# Altium PCB motordriver-v5.1.PcbDoc (part 3 of 8)
Units mil, origin at the board's own origin, x right, y up, seen from the top; angles counter-clockwise.
Board outline 4531.01 x 6141.73 mil, 6 copper layers (Top Copper, GND Layer 1, Signal Layer 1, Signal Layer 2, PWR Layer, Bottom Copper), stack 58.2 mil thick; 748 components, 531 nets, 2475 pads, 1059 vias.
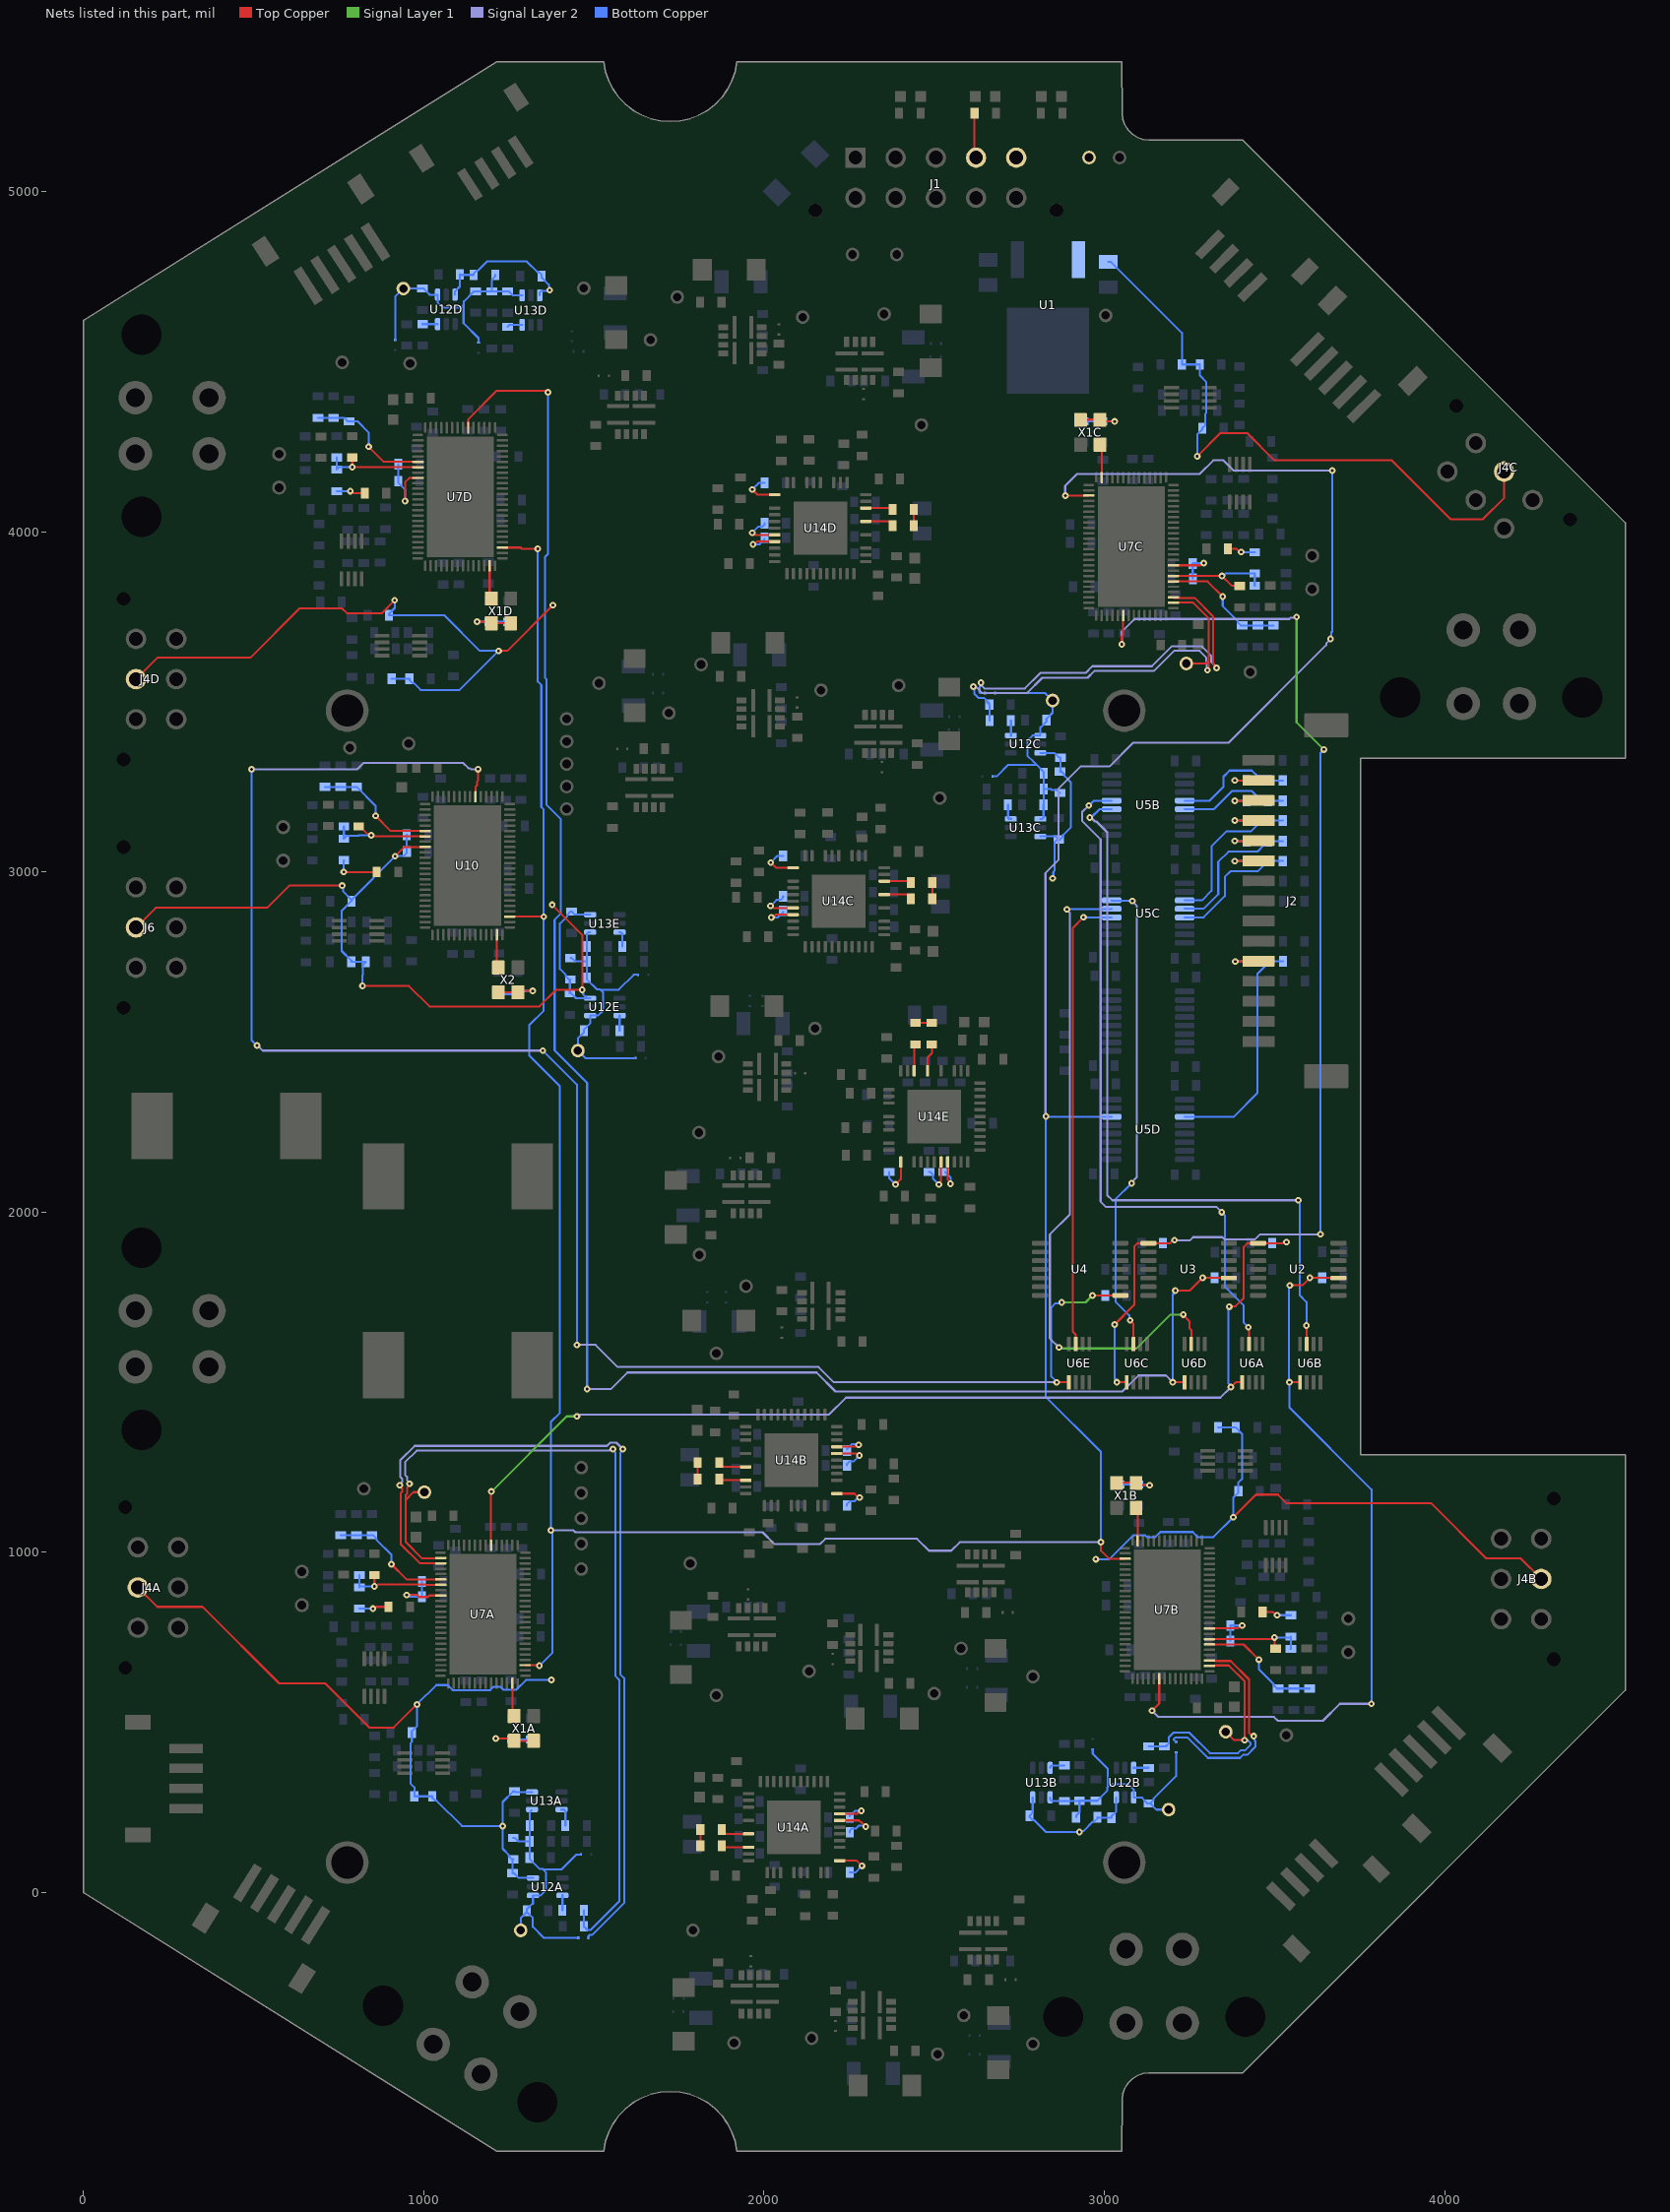
[diagram p7: the nets of this part, all layers, seen from the top]

## Part data
C1 C2: library part "CAP 10uF 35V_1", "Default Symbol for Capacitors", Manufacturer Part Number 1=C2012X5R1V106K125AC, Rating=35V, Supplier Part Number 1=445-14418-1-ND, Temperature Coefficient=X5R, Tolerance=10%, Part Number="CAP 10uF 35V_1", Supplier 1=Digi-Key
C3A C3B C3C C3D C4A C4B C4C C4D C5A C5B C5C C5D C6A C6B C6C C6D C7A C7B C7C C7D C8A C8B C8C C8D C9A C9B C9C C9D C9E C10A C10B C10C C10D C14A C14B C14C C14D C16A C16B C16C C16D C17A C17B C17C C17D C18A C18B C18C C18D C19A C19B C19C C19D C25A C25B C25C C25D C26A C26B C26C C26D C27A C27B C27C C27D C28A C28B C28C C28D C29A C29B C29C C29D C30A C30B C30C C30D C31 C32 C33 C34 C35 C40 C41 C42 C43 C46 C47 C48 C49 C50 C51 C54A C54B C54C C54D C54E C55A C55B C55C C55D C55E C57A C57B C57C C57D C57E C58A C58B C58C C58D C58E C60A C60B C60C C60D C60E C68A C68B C68C C68D C68E C72A C72B C72C C72D C72E C73A C73B C73C C73D C73E C74A C74B C74C C74D C74E: library part "CAP 100nF 50V", "Default Symbol for Capacitors", Manufacturer Part Number 1=CC0603KPX7R9BB104, Manufacturer Part Number 2=0805J0500104KJT, Rating=50V, Supplier Part Number 1=311-3567-1-ND, Temperature Coefficient=X7R, Tolerance=10%, Part Number="CAP 100nF 50V", Supplier 1=Digi-Key, Supplier 2=Digi-Key, Supplier Part Number 2=1608-1458-1-ND
C11A C11B C11C C11D C12A C12B C12C C12D C13A C13B C13C C13D C36 C37 C38: library part "CAP 1000pF 50V", "Default Symbol for Capacitors", Manufacturer Part Number 1="06035C102K4Z2A / 06035C102K4Z2A", Manufacturer Part Number 2=08055C102KAT2A, Rating=50V, Supplier Part Number 1=478-6342-1-ND, Temperature Coefficient=X7R, Tolerance=10%, Part Number="CAP 1000pF 50V", Supplier 1=Digi-Key, Supplier 2=Digi-Key, Supplier Part Number 2=478-1371-1-ND
C15A C15B C15C C15D C23A C23B C23C C23D C39 C44: library part "CAP 4.7uF 16V", "Default Symbol for Capacitors", Manufacturer Part Number 1=C1608X5R1C475K080AE, Manufacturer Part Number 2=C2012X5R1C475K085AB, Rating=16V, Supplier Part Number 1=445-175225-1-ND, Temperature Coefficient=X5R, Tolerance=10%, Part Number="CAP 4.7uF 16V", Supplier 1=Digi-Key, Supplier 2=Digi-Key, Supplier Part Number 2=445-14382-1-ND
C20A C20B C20C C20D C21A C21B C21C C21D C22A C22B C22C C22D: library part "CAP 100pF 50V", "Default Symbol for Capacitors", Manufacturer Part Number 1=C0603C101K5RAC7867, Manufacturer Part Number 2=C0805C101J5RAC7800, Rating=50V, Supplier Part Number 1=399-C0603C101K5RAC7867CT-ND, Temperature Coefficient=X7R, Tolerance=10%, Part Number="CAP 100pF 50V", Supplier 1=Digi-Key, Supplier 2=Digi-Key, Supplier Part Number 2=399-17420-1-ND
C24A C24B C24C C24D C45 C61A C61B C61C C61D C61E C62A C62B C62C C62D C62E C63A C63B C63C C63D C63E C71A C71B C71C C71D C71E: library part "CAP 470nF 50V", "Default Symbol for Capacitors", Manufacturer Part Number 1=C1608X7R1H474K080AC, Manufacturer Part Number 2=CL21B474KBFNNNG, Rating=50V, Supplier Part Number 1=445-5952-1-ND, Temperature Coefficient=X7R, Tolerance=10%, Part Number="CAP 470nF 50V", Supplier 1=Digi-Key, Supplier 2=Digi-Key, Supplier Part Number 2=1276-6482-1-ND
C52A C52B C52C C52D C52E C52F C52G C52H C52I C52J C52K C52L: library part "CAP 680pF 16V", "Default Symbol for Capacitors", Manufacturer Part Number 1=885012006028, Rating=16V, Supplier Part Number 1=732-12251-1-ND, Temperature Coefficient=X5R, Tolerance=10%, Part Number="CAP 680pF 16V", Supplier 1=Digi-Key
C53A C53B C53C C53D C53E C56A C56B C56C C56D C56E: library part "CAP 2200pF 50V", "Default Symbol for Capacitors", Manufacturer Part Number 1=06035C222KAT2A, Manufacturer Part Number 2=CL21B222KBANNNC, Rating=50V, Supplier Part Number 1=478-1219-1-ND, Temperature Coefficient=X7R, Tolerance=10%, Part Number="CAP 2200pF 50V", Supplier 1=Digi-Key, Supplier 2=Digi-Key, Supplier Part Number 2=1276-1171-1-ND
C59A C59B C59C C59D C59E C64A C64B C64C C64D C64E C69A C69B C69C C69D C69E: library part "CAP 1600pF 50V", "Default Symbol for Capacitors", Manufacturer Part Number 1=GRM1885C1H162JA01D, Manufacturer Part Number 2=GRM2165C1H162JA01D, Rating=50V, Supplier Part Number 1=490-1456-1-ND, Temperature Coefficient=NP0, Tolerance=5%, Part Number="CAP 1600pF 50V", Supplier 1=Digi-Key, Supplier 2=Digi-Key, Supplier Part Number 2=490-1625-1-ND
C65A C65B C65C C65D C65E: library part "CAP 10uF 50V", "Default Symbol for Capacitors", Manufacturer Part Number 1=GRM21BR61H106KE43L, Manufacturer Part Number 2=CL32B106KBJNNWE, Rating=50V, Supplier Part Number 1=490-18663-1-ND, Temperature Coefficient=X5R, Tolerance=10%, Part Number="CAP 10uF 50V", Supplier 1=Digi-Key, Supplier 2=Digi-Key, Supplier Part Number 2=1276-3388-1-ND
C66A C66B C66C C66D C66E C67A C67B C67C C67D C67E: library part "CAP 2.2uF 35V", "Default Symbol for Capacitors", Manufacturer Part Number 1=C1608X5R1V225K080AC, Manufacturer Part Number 2=CGA4J1X7R1V225K125AE, Rating=35V, Supplier Part Number 1=445-8025-1-ND, Temperature Coefficient=X5R, Tolerance=10%, Part Number="CAP 2.2uF 35V", Supplier 1=Digi-Key, Supplier 2=Digi-Key, Supplier Part Number 2=445-8787-1-ND
C70A C70B C70C C70D C70E: library part "CAP 0.022uF 35V", "Default Symbol for Capacitors", Manufacturer Part Number 1=GMK107BJ223KAHT, Manufacturer Part Number 2=GMK212SD223KG-T, Rating=35V, Supplier Part Number 1=587-3359-1-ND, Temperature Coefficient=X7R, Tolerance=10%, Part Number="CAP 0.022uF 35V", Supplier 1=Digi-Key, Supplier 2=Digi-Key, Supplier Part Number 2=587-1122-1-ND
D1 D7A D7B D7C D7D D7E D8A D8B D8C D8D D8E D9A D9B D9C D9D D9E: library part "DIODE TVS 26VWM 53.5VC SMA", "TVS DIODE 26V 53.5V SMA", Current Rating=43A, Manufacturer Part Number 1=SMAJ26CA-TR, Power=400W, Supplier Part Number 1=497-12523-1-ND, Voltage Rating - DC="26VWM, 53.5VC", Part Number="DIODE TVS 26VWM 53.5VC SMA", Pin Count=2, Supplier 1=Digi-Key, Supplier URL 1=https://www.digikey.ca/en/products/detail/stmicroelectronics/SMAJ26CA-TR/2214530?s=N4IgTCBcDaICwE4DsBaAjGArGAzOlAcgCIgC6AvkA
D2 D3 D4 D5A D5B D5C D5D D6: library part "LED GREEN SMD 0603", "LED Uni-Color Green 574nm 2-Pin Chip LED T/R", Current Rating=20mA, Manufacturer Part Number 1=LTST-C190KGKT, Supplier Part Number 1=160-1435-1-ND, Voltage Rating - DC=2V, Part Number="LED GREEN SMD 0603", Pin Count=2, Supplier 1=Digi-Key, Supplier URL 1=https://www.digikey.ca/en/products/detail/lite-on-inc/LTST-C190KGKT/386815?s=N4IgTCBcDaIIwDYAMBaOAWAzAVjSgcgCIgC6AvkA
D10A D10B D10C D10D D10E: library part "LED RED SMD 0603", "0603 red led alingap 631nm-639nm water clear 18-180mcd 130d", Current Rating=20mA, Manufacturer Part Number 1=LTST-C190KRKT, Supplier Part Number 1=160-1436-1-ND, Voltage Rating - DC=2V, Part Number="LED RED SMD 0603", Pin Count=2, Supplier 1=Digi-Key, Supplier URL 1=https://www.digikey.ca/en/products/detail/lite-on-inc/LTST-C190KRKT/386817?s=N4IgTCBcDaIIwDYAMBaOAWAzAtKByAIiALoC%2BQA
FB1A FB1B FB1C FB1D FB2: library part "FERRITE BEAD 200 MOHM 0603 1LN", "WURTH ELEKTRONIK - 742792651 - Ferrite Bead, 0603 [1608 Metric], 600 ohm, 1 A, WE-CBF Series, 0.2 ohm, &#177; 25%", Manufacturer Part Number 1=742792651, Supplier Part Number 1=732-1593-1-ND, Part Number="FERRITE BEAD 200 MOHM 0603 1LN", Supplier 1=Digi-Key, Supplier URL 1=https://www.digikey.ca/en/products/detail/w%C3%BCrth-elektronik/742792651/1638997?s=N4IgTCBcDaIOwGYwFoCMBWAnAtyByAIiALoC%2BQA
J1: library part "CN HDR 10POS MOLEX 0430451012", "CONN HEADER VERT 10POS 3MM", Manufacturer Part Number 1=0430451012, Supplier Part Number 1=WM1793-ND, Part Number="CN HDR 10POS MOLEX 0430451012", Pin Count=10, Supplier 1=Digi-Key, Supplier URL 1=https://www.digikey.ca/en/products/detail/molex/0430451012/252506?s=N4IgTCBcDaIAwBYDMiCsBGO6IF0C%2BQA
J2: library part "CN 15POS JST ZE SMT", "CONN HEADER VERT SMD 15POS ZE", Supplier Part Number 1=455-4211-1-ND, Manufacturer Part Number 1=BM15B-ZESS-TBT(LF)(SN), Part Number="CN 15POS JST ZE SMT", Pin Count=15, Supplier 1=Digi-Key, Supplier URL 1=https://www.digikey.ca/en/products/detail/jst-sales-america-inc/BM15B-ZESS-TBT-LF-SN/1886999?s=N4IgTCBcDaIEIFkCMBWOBaAWgUQMq-QBU5CAKAGQDEBKU3AOWpAF0BfIA
J3A J3B J3C J3D J7: library part "CN HDR 4POS Molex 39299044 VERT", "Molex 39299044 4POS Minifit / dual row, vertical", Supplier Part Number 1=WM7336-ND, Manufacturer Part Number 1=39299044, Part Number="CN HDR 4POS Molex 39299044 VERT", Pin Count=4, Supplier 1=Digi-Key, Supplier URL 1=https://www.digikey.ca/en/products/detail/molex/0039299044/1624292?s=N4IgTCBcDaIOoFkDsBmFA2AtAOQCIgF0BfIA
J4A J4B J4C J4D J6: library part "CN HDR 6POS Molex 43045-0628", "Molex 43045-0628 6POS Microfit / dual row, Vertical", Manufacturer Part Number 1=430450628, Supplier Part Number 1=WM10679-ND, Part Number="CN HDR 6POS Molex 43045-0628", Pin Count=6, Supplier 1=Digi-Key, Supplier URL 1=https://www.digikey.ca/en/products/detail/molex/0430450628/3310200?s=N4IgTCBcDaICwGYAMcCsSBsYAcAdXIAugL5A
J5A J5B J5C J5D: library part "CN 5POS JST ZR RA", "Connector Header Surface Mount, Right Angle 5 position 0.059\" (1.50mm)", Manufacturer Part Number 1=S5B-ZR-SM4A-TF, Supplier Part Number 1=455-1696-1-ND, Part Number="CN 5POS JST ZR RA", Pin Count=5, Supplier 1=Digi-Key, Supplier URL 1=https://www.digikey.ca/en/products/detail/jst-sales-america-inc/S5B-ZR-SM4A-TF-LF-SN/926603?s=N4IgTCBcDaICwFYEFoCMA2AnOtyByAIiALoC%2BQA
J8A J8B J8C J8D: library part "CN HDR 4POS SMD JST ZR", "Connector Header Surface Mount, Right Angle 4 position 0.059 (1.50mm)", Package=None, Supplier Part Number 1=455-1695-1-ND, Arrow_Electronics-Purchase-URL=https://snapeda.com/shop?store=Arrow+Electronics&id=449060, Availability=Unavailable, MF="JST Sales", MP=S4B-ZR-SM4A-TF(LF)(SN), Part Number="CN HDR 4POS SMD JST ZR", Pin Count=4, Price=None, SnapEDA_Link=https://www.snapeda.com/parts/S4B-ZR-SM4A-TF(LF)(SN)/JST%20Sales%20America%20Inc./view-part/449060/?ref=snap, Supplier 1=Digi-Key, Supplier URL 1=https://www.digikey.ca/en/products/detail/jst-sales-america-inc/S4B-ZR-SM4A-TF-LF-SN/926602?s=N4IgTCBcDaIMoBYBCBaAWgJRXAsgggigCoBiAFADIkCUZcActSALoC%2BQA
L1 L2 L3: library part "IND 22UH 6A 33.1 mOHM SMD", "Automotive Grade High Current Power Inductor 22uH 6A 28.8mOhm 5MHz SRF 2-Pin Surface Mount T/R", Manufacturer Part Number 1=HCM1A1307V2-220-R, Supplier Part Number 1=283-HCM1A1307V2-220-RCT-ND, Part Number="IND 22UH 6A 33.1 mOHM SMD", Supplier 1=Digi-Key, Supplier URL 1=https://www.digikey.ca/en/products/detail/eaton-electronics-division/HCM1A1307V2-220-R/10479205?s=N4IgTCBcDa4BwGYC0AJAwgWQIwEEsIAYB2ANTCTDAKQCU0AVJAOQBEQBdAXyA
MH1 MH2 MH3 MH4: library part "MOUNTING HOLE M2", "Standard M2 Mounting Hole for M2 Standoff", Part Number="MOUNTING HOLE M2"
NT1A NT1B NT1C NT1D NT1E NT2A NT2B NT2C NT2D NT2E NT3A NT3B NT3C NT3D NT3E NT4A NT4B NT4C NT4D NT4E NT5A NT5B NT5C NT5D NT5E NT6A NT6B NT6C NT6D NT6E NT7A NT7B NT7C NT7D NT7E NT8A NT8B NT8C NT8D NT8E NT9A NT9B NT9C NT9D NT9E: library part NT_8, "8mil wide nettie", Part Number=NT_8
Q1A Q1B Q1C Q1D Q1E Q2A Q2B Q2C Q2D Q2E Q3A Q3B Q3C Q3D Q3E: library part "MOSFET N-CH DUAL NTTFD4D0N04HLTWG", "MOSFET N+N COMMON PHASE SW 40V 60A", Manufacturer Part Number 1=NTTFD4D0N04HLTWG, Supplier Part Number 1=488-NTTFD4D0N04HLTWGCT-ND, Part Number="MOSFET N-CH DUAL NTTFD4D0N04HLTWG", Supplier 1=Digi-Key, Supplier URL 1=https://www.digikey.ca/en/products/detail/onsemi/NTTFD4D0N04HLTWG/12181286?s=N4IgTCBcDaIHIBUEDEAiAWVAGOX0AkAZBAdQHEBhBEAXQF8g
R1 R2 R3 R4 R5 R6 R7 R8 R9 R10: library part "RES 10k 1/8W - 1%", "Default Resistor Symbol", Manufacturer Part Number 1=ERJ-H3GJ103V, Manufacturer Part Number 2=RMCF0805JT10K0, Package=0805, Power (Watts)=0.125W, Supplier Part Number 1=10-ERJ-H3GJ103VCT-ND, Tolerance=5%, Part Number="RES 10k 1/8W - 1%", Supplier 1=Digi-Key, Supplier 2=Digi-Key, Supplier Part Number 2=RMCF0805JT10K0CT-ND, Supplier URL 1=https://www.digikey.ca/en/products/detail/panasonic-electronic-components/ERJ-H3GJ103V/13877876?s=N4IgTCBcDaIIwAYC0BRASgKSQCQMwHENFcA1AYQBUkA5AERAF0BfIA, Supplier URL 2=https://www.digikey.ca/en/products/detail/stackpole-electronics-inc/RMCF0805JT10K0/1757762?s=N4IgTCBcDaIEoFkDCAxADADjQVgFIBUBGNAaTSXxAF0BfIA, Tolerance 2=5%
R11: library part "RES 110.0 1/8W - 1%", "Default Resistor Symbol", Manufacturer Part Number 1=RMCF0603FT110R, Package=0805, Power (Watts)=0.125W, Supplier Part Number 1=RMCF0603FT110RCT-ND, Tolerance=1%, Part Number="RES 110.0 1/8W - 1%", Supplier 1=Digi-Key, Supplier URL 1=https://www.digikey.ca/en/products/detail/stackpole-electronics-inc/RMCF0603FT110R/1761268
R12: library part "RES 330.0 1/8W - 5%", "Default Resistor Symbol", Manufacturer Part Number 1=RMCF0603JT330R, Package=0805, Power (Watts)=0.125W, Supplier Part Number 1=RMCF0603JT330RCT-ND, Tolerance=5%, Part Number="RES 330.0 1/8W - 5%", Supplier 1=Digi-Key, Supplier URL 1=https://www.digikey.ca/en/products/detail/stackpole-electronics-inc/RMCF0603JT330R/1757998
R13: library part "RES 1.96k 1/8W", "Default Resistor Symbol", Manufacturer Part Number 1=RC0603FR-071K96L, Package=0805, Power (Watts)=0.125W, Supplier Part Number 1=311-1.96KHRCT-ND, Tolerance=1%, Part Number="RES 1.96k 1/8W", Supplier 1=Digi-Key, Supplier URL 1=https://www.digikey.ca/en/products/detail/yageo/RC0603FR-071K96L/726878
R14A R14B R14C R14D R15A R15B R15C R15D R26A R26B R26C R26D R27A R27B R27C R27D R28A R28B R28C R28D R29A R29B R29C R29D R30A R30B R30C R30D R31A R31B R31C R31D R32A R32B R32C R32D R33A R33B R33C R33D R34A R34B R34C R34D R47 R48 R49 R50 R51 R52: library part "RES 4.7k 1/8W - 5%", "Default Resistor Symbol", Manufacturer Part Number 1=RMCF0603JT4K70, Package=0805, Power (Watts)=0.125W, Supplier Part Number 1=RMCF0603JT4K70CT-ND, Tolerance=5%, Part Number="RES 4.7k 1/8W - 5%", Supplier 1=Digi-Key, Supplier URL 1=https://www.digikey.ca/en/products/detail/stackpole-electronics-inc/RMCF0603JT4K70/1757976
R16A R16B R16C R16D R41: library part "RES NTC 10k TH", Manufacturer Part Number 1=NXRT15XH103FA1B040, Supplier Part Number 1=490-7167-ND, Tolerance=1%, Part Number="RES NTC 10k TH", Supplier 1=Digi-Key, Supplier URL 1=https://www.digikey.ca/en/products/detail/murata-electronics/NXRT15XH103FA1B040/3900399?s=N4IgTCBcDaICwE4AMBaA7ARgGxpQOQBEQBdAXyA
R17A R17B R17C R17D R42: library part "RES NTC 10k CHIP", Manufacturer Part Number 1=NCU18XH103F60RB, Supplier Part Number 1=490-16279-1-ND, Tolerance=1%, Part Number="RES NTC 10k CHIP", Supplier 1=Digi-Key, Supplier URL 1=https://www.digikey.ca/en/products/detail/murata-electronics/NCU18XH103F60RB/7363023?s=N4IgTCBcDaICwE4AMBaAjANjAdgelAcgCIgC6AvkA
R18A R18B R18C R18D R43: library part "RES 47k 1/8W - 1%", "Default Resistor Symbol", Manufacturer Part Number 1=MCT06030C4702FP500, Manufacturer Part Number 2=AC0805FR-0747KL, Package=0805, Power (Watts)=0.125W, Supplier Part Number 1=MCT0603-47.0K-CFCT-ND, Tolerance=1%, Part Number="RES 47k 1/8W - 1%", Supplier 1=Digi-Key, Supplier 2=Digi-Key, Supplier Part Number 2=YAG3735CT-ND, Supplier URL 1=https://www.digikey.ca/en/products/detail/vishay-beyschlag-draloric-bc-components/MCT06030C4702FP500/2607854?s=N4IgTCBcDaILIGEAqAGAbCgzAWgCwHYA6FAaWwQDFlsA5AERAF0BfIA, Supplier URL 2=https://www.digikey.ca/en/products/detail/yageo/AC0805FR-0747KL/5896858?s=N4IgTCBcDaIJoEEDiBmA7CgrAYQCoFoA5AERAF0BfIA, Tolerance 2=1%
R19A R19B R19C R19D R35A R35B R35C R35D R36A R36B R36C R36D R37A R37B R37C R37D R44 R55A R55B R55C R55D R55E R56A R56B R56C R56D R56E: library part "RES 1k 1/8W - 1%", "Default Resistor Symbol", Manufacturer Part Number 1=MCT06030C1001FP500, Manufacturer Part Number 2=RMCF0805FT1K00, Package=0805, Power (Watts)=0.125W, Supplier Part Number 1=MCT0603-1.00K-CFCT-ND, Tolerance=1%, Part Number="RES 1k 1/8W - 1%", Supplier 1=Digi-Key, Supplier 2=Digi-Key, Supplier Part Number 2=RMCF0805FT1K00CT-ND, Supplier URL 1=https://www.digikey.ca/en/products/detail/vishay-beyschlag-draloric-bc-components/MCT06030C1001FP500/2607821?s=N4IgTCBcDaILIGEAqAGAbCgzAWgIwDoUUBpbBAMWWwDkAREAXQF8g, Supplier URL 2=https://www.digikey.ca/en/products/detail/stackpole-electronics-inc/RMCF0805FT1K00/1760090?s=N4IgTCBcDaIEoFkDCAxADADjQVhQFQEYBpNNJPEAXQF8g, Tolerance 2=1%
R20A R20B R20C R20D R21A R21B R21C R21D R22A R22B R22C R22D R23A R23B R23C R23D R39A R39B R39C R39D R39E R40A R40B R40C R40D R40E R45 R53 R54 R70: library part "RES 4.7k 1/8W - 1%", "Default Resistor Symbol", Manufacturer Part Number 1=RMCF0603FT4K70, Package=0805, Power (Watts)=0.125W, Supplier Part Number 1=RMCF0603FT4K70CT-ND, Tolerance=1%, Part Number="RES 4.7k 1/8W - 1%", Supplier 1=Digi-Key, Supplier URL 1=https://www.digikey.ca/en/products/detail/stackpole-electronics-inc/RMCF0603FT4K70/1760998
R24A R24B R24C R24D R24E R38A R38B R38C R38D R38E R69A R69B R69C R69D R69E: library part "RES 0 JUMPER", "RES SMD 0 OHM JUMPER GENERIC 0805", Manufacturer Part Number 1=RK73Z1JTTD, Package=0805, Supplier Part Number 1=2019-RK73Z1JTTDCT-ND, Tolerance=N/A, Part Number="RES 0 JUMPER", Supplier 1=Digi-Key, Supplier URL 1=https://www.digikey.ca/en/products/detail/koa-speer-electronics-inc/RK73Z1JTTD/9845478
R25A R25B R25C R25D R46 R78A R78B R78C R78D R78E: library part "RES 75.0 1/8W - 5%", "Default Resistor Symbol", Manufacturer Part Number 1=RNCP0603FTD75R0, Manufacturer Part Number 2=RMCF0805JT75R0, Package=0805, Power (Watts)=0.125W, Supplier Part Number 1=RNCP0603FTD75R0CT-ND, Tolerance=1%, Tolerance 2=5%, Part Number="RES 75.0 1/8W - 5%", Supplier 1=Digi-Key, Supplier 2=Digi-Key, Supplier Part Number 2=RMCF0805JT75R0CT-ND, Supplier URL 1=https://www.digikey.ca/en/products/detail/stackpole-electronics-inc/RNCP0603FTD75R0/2240084?s=N4IgTCBcDaIEoDkDCAFADANjQZgGIBUARAdgFY40l8QBdAXyA, Supplier URL 2=https://www.digikey.ca/en/products/detail/stackpole-electronics-inc/RMCF0805JT75R0/1757816?s=N4IgTCBcDaIEoFkDCAxADADjQVgFIBUB2bONJfEAXQF8g
R57A R57B R57C R57D R57E R62A R62B R62C R62D R62E R63A R63B R63C R63D R63E R68A R68B R68C R68D R68E R71A R71B R71C R71D R71E R76A R76B R76C R76D R76E: library part "RES 100k 1/8W", "Default Resistor Symbol", Manufacturer Part Number 1=ERJ-H3GJ104V, Manufacturer Part Number 2=RMCF0805FT100K, Package=0805, Power (Watts)=0.125W, Supplier Part Number 1=10-ERJ-H3GJ104VCT-ND, Tolerance=5%, Tolerance 2=1%, Part Number="RES 100k 1/8W", Supplier 1=Digi-Key, Supplier 2=Digi-Key, Supplier Part Number 2=RMCF0805FT100KCT-ND, Supplier URL 1=https://www.digikey.ca/en/products/detail/panasonic-electronic-components/ERJ-H3GJ104V/13877854?s=N4IgTCBcDaIIwAYC0BRASgKSQCQMwHENEAWANQGEAVJAOQBEQBdAXyA, Supplier URL 2=https://www.digikey.ca/en/products/detail/stackpole-electronics-inc/RMCF0805FT100K/1760712?s=N4IgTCBcDaIEoFkDCAxADADjQVhQFQEY00BpJPEAXQF8g
R58A R58B R58C R58D R58E R59A R59B R59C R59D R59E R61A R61B R61C R61D R61E R64A R64B R64C R64D R64E R65A R65B R65C R65D R65E R67A R67B R67C R67D R67E R72A R72B R72C R72D R72E R73A R73B R73C R73D R73E R75A R75B R75C R75D R75E: library part "RES 10.0 1/8W - 1%", "Default Resistor Symbol", Manufacturer Part Number 1=RNCP0603FTD10R0, Package=0805, Power (Watts)=0.125W, Supplier Part Number 1=RNCP0603FTD10R0CT-ND, Tolerance=1%, Manufacturer Part Number 2=RNCP0603FTD10R0, Part Number="RES 10.0 1/8W - 1%", Supplier 1=Digi-Key, Supplier 2=Digi-Key, Supplier Part Number 2=RNCP0603FTD10R0CT-ND, Supplier URL 1=https://www.digikey.ca/en/products/detail/stackpole-electronics-inc/RNCP0603FTD10R0/2240074?s=N4IgTCBcDaIEoDkDCAFADANjQZgGIBUARARjTjSXxAF0BfIA, Supplier URL 2=https://www.digikey.ca/en/products/detail/stackpole-electronics-inc/RNCP0603FTD10R0/2240074?s=N4IgTCBcDaIEoDkDCAFADANjQZgGIBUARARjTjSXxAF0BfIA, Tolerance 2=1%
R60A R60B R60C R60D R60E R66A R66B R66C R66D R66E R74A R74B R74C R74D R74E: library part "RES 10m 1W", "Default Resistor Symbol", Manufacturer Part Number 1=CSRL1-0R01F8, Package=0805, Power (Watts)=0.125W, Supplier Part Number 1=696-1845-1-ND, Tolerance=1%, Part Number="RES 10m 1W", Supplier 1=Digi-Key, Supplier URL 1=https://www.digikey.ca/en/products/detail/riedon/CSRL1-0R01F8/9666060?s=N4IgTCBcDaIGwE44FoCMAOALAVjcgcgCIgC6AvkA
R77A R77B R77C R77D R77E R77F R77G R77H R77I R77J R77K R77L: library part "RES 47.0 1/8W - 1%", "Default Resistor Symbol", Manufacturer Part Number 1=CRGCQ0603F47R, Package=0805, Power (Watts)=0.125W, Supplier Part Number 1=A129672CT-ND, Tolerance=1%, Part Number="RES 47.0 1/8W - 1%", Supplier 1=Digi-Key, Supplier URL 1=https://www.digikey.ca/en/products/detail/te-connectivity-passive-product/CRGCQ0603F47R/8576274
TP6 TP7 TP8 TP9 TP10: library part "Test Point (Via)", Part Number="Test Point (Via)"
U1: "Linear Voltage Regulator IC Positive Fixed 1 Output 1A DPAK", Supplier Part Number 1=NCP1117DT33T5GOSCT-ND, Manufacturer Part Number 1=NCP1117DT33T5G, Part Number=NCP1117DT33T5G, Supplier 1=Digi-Key, Supplier URL 1=https://www.digikey.ca/en/products/detail/onsemi/NCP1117DT33T5G/921285
U2 U3 U4: library part SN74LVC125APWR, "Buffer, Non-Inverting 4 Element 1 Bit per Element 3-State Output 14-TSSOP", Supplier Part Number 1=296-1222-1-ND, Manufacturer Part Number 1=SN74LVC125APWR, Part Number=SN74LVC125APWR, Supplier 1=Digi-Key, Supplier URL 1=https://www.digikey.ca/en/products/detail/texas-instruments/SN74LVC125APWR/276865
U5A U5B U5C U5D: library part "ISO ADUM141D1BRQZ", "Digital Isolator CMOS 4-CH 150Mbps 16-Pin QSOP T/R", Supplier Part Number 1=ADUM141D1BRQZ-ND, Manufacturer Part Number 1=ADUM141D1BRQZ, Part Number="ISO ADUM141D1BRQZ", Supplier 1=Digi-Key, Supplier URL 1=https://www.digikey.ca/en/products/detail/analog-devices-inc/ADUM141D1BRQZ/7606661
U6A U6B U6C U6D U6E: "Analog Switch ICs Multi/Demultiplexer LV 3:1 SP3T", Package=None, Supplier Part Number 1=512-FSA3357K8X, Availability=Unavailable, Manufacturer Part Number 1=FSA3357K8X, MP=FSA3357K8X, Part Number=FSA3357K8X, Price=None, Supplier 1=Mouser, Supplier URL 1=https://www.mouser.ca/ProductDetail/onsemi-Fairchild/FSA3357K8X?qs=sGAEpiMZZMtqBmg8fZQA6wYDAhwKfUHh
U7A U7B U7C U7D U10: library part TMC4671, "Motor Driver, -40 To 125Deg C Rohs Compliant: Yes", Manufacturer Part Number 1=TMC4671-LA, Supplier Part Number 1=1460-TMC4671-LA-ND, Part Number=TMC4671, Supplier 1=Digi-Key, Supplier URL 1=https://www.digikey.ca/en/products/detail/trinamic-motion-control-gmbh/TMC4671-LA/12174669?s=N4IgTCBcDaIIwBYBsAGAtAFQLIGFkHY40AZAQTQDkAREAXQF8g
U8A U8B U8C U8D U9A U9B U9C U9D U11: library part "IC 74LVC3G17DC,125", "IC BUFFER TRIPLE SCHMITT TRIGGER 5.5V VSSOP-8", Supplier Part Number 1=33AC1281, Manufacturer Part Number 1=74LVC3G17DC,125, Part Number="IC 74LVC3G17DC,125", Supplier 1=Newark, Supplier URL 1=https://canada.newark.com/nexperia/74lvc3g17dc-125/buffer-non-inverting-triple-vssop/dp/33AC1281?ost=33ac1281
U12A U12B U12C U12D U12E U13A U13B U13C U13D U13E: "SP Amp Current Sense Amp Single R-R O/P 5.5V Automotive 6-Pin SC-70 T/R", Manufacturer Part Number 1=TSC214ICT, Supplier Part Number 1=497-TSC214ICT-ND, Part Number="OP AMP CURR SENSE BI TSC", Supplier 1=Digi-Key, Supplier URL 1=https://www.digikey.ca/en/products/detail/stmicroelectronics/TSC214ICT/14291430?s=N4IgTCBcDaICwE4DsBaAKgZQMJgIxwEks0UA5AERAF0BfIA
U14A U14B U14C U14D U14E: "GATE DRIVER IC 8-60V QFN37", Manufacturer Part Number 1=TMC6100-LA, Supplier Part Number 1=54AH1603, Part Number=TMC6100, Supplier 1=Newark, Supplier URL 1=https://canada.newark.com/trinamic/tmc6100-la/motor-driver-40-to-125deg-c-rohs/dp/54AH1603?ost=54ah1603
X1A X1B X1C X1D X2: library part "XTAL OSC 25MHz 3.3V", "Oscillator XO 25MHz ±15ppm 15pF CMOS 55% 2.5V/3.3V 4-Pin Mini-CSMD T/R", Frequency=32.768kHz, Load Capacitance=12.5pF, Supplier Part Number 1=1253-1254-6-ND, Manufacturer Part Number 1=KC2520C25.0000C2LE00, Part Number="XTAL OSC 25MHz 3.3V", Supplier 1=Digi-Key, Supplier URL 1=https://www.digikey.ca/en/products/detail/kyocera-avx/KC2520C25-0000C2LE00/4867084?s=N4IgTCBcDaIIxgKwGYC0DEBZUDZUDkAREAXQF8g
TP1 TP2 TP3 TP4 TP5 TP11A TP11B TP11C TP11D TP12A TP12B TP12C TP12D TP13A TP13B TP13C TP13D TP13E TP14A TP14B TP14C TP14D TP14E TP15A TP15B TP15C TP15D TP15E TP16A TP16B TP16C TP16D TP16E TP17A TP17B TP17C TP17D TP17E TP18A TP18B TP18C TP18D TP18E TP19A TP19B TP19C TP19D TP19E TP20 TP21 TP22 TP23 TP24 TP25 TP26: Part Number="Test Point (Via)"

## Via types
v1: diameter 19.68, hole 7.87, Top Copper to Bottom Copper, tented both sides, 714 vias
v2: diameter 19.68, hole 7.87, Top Copper to Bottom Copper, 243 vias
v3: diameter 30, hole 15, Top Copper to Bottom Copper, tented both sides, 73 vias
v4: diameter 31.5, hole 17.72, Top Copper to Bottom Copper, tented both sides, 29 vias

## Nets (pads, with @x,y where several pads share a name; then routed paths per layer and width w, separated by ;. In a path a pad name is that pad's centre, name@x,y a point inside that pad or via, vN(x,y) a via of type N, cw(c..) or ccw(c..) an arc to the next point about the centre after c; other vN are vias at no path point)
2.5V_REFA: C9A.2 C55A.2 C58A.2 NT8A.2 NT9A.2 R39A.2 R40A.1 TP19A.1 U12A.1 U13A.1 | length 804
  Bottom Copper w6: R39A.2@1263,161 1266.94,161 1276.94,151 C9A.2@1311.01,151 ; TP19A.1@1285,-111 1285,-74.95 C58A.2@1303.01,-56.94 ; U13A.1@1316.54,241.31 1311.01,235.78 C9A.2@1311.01,151 ; NT8A.2@1454,-133 1353,-133 1320.82,-100.82 1320.82,-74.75 C58A.2@1303.01,-56.94 ; NT9A.2@1462,112 1449,112 1405,68 1351,68 ; C58A.2@1303.01,-56.94 C58A.2@1303.01,-53 1303.01,-49.06 1319.12,-32.95 1321,-32.95 U12A.1@1321,-8.19 1343.81,-8.19 1359,7 1359,60 1351,68 ; C9A.2@1311.01,151 R40A.1@1311.01,103 1311.01,99.06 1341.07,69 1350,69 1351,68
2.5V_REFB: C9B.2 C55B.2 C58B.2 NT8B.2 NT9B.2 R39B.2 R40B.1 TP19B.1 U12B.1 U13B.1 | length 790.3
  Bottom Copper w6: U13B.1@2840.72,280 2840.72,274.32 2845.52,269.51 C55B.2@2882.81,269.51 2926.29,269.51 2926.89,270.12 C9B.2@2927,270.01 ; R39B.2@2917,222 2917,225.94 2927,235.94 C9B.2@2927,270.01 ; NT9B.2@2966,421 2966,408 3010,364 3010,310 ; TP19B.1@3189,244 3152.94,244 C58B.2@3134.94,262.01 ; NT8B.2@3211,413 3211,342.01 3144.25,275.26 3144.25,271.32 C58B.2@3134.94,262.01 ; C9B.2@2927,270.01 R40B.1@2975,270.01 2978.94,270.01 3009,300.07 3009,309 3010,310 ; 3010,310 3018,318 3071,318 3086.19,302.81 U12B.1@3086.19,280 3110.95,280 3110.95,278.12 3127.06,262.01 C58B.2@3131,262.01 C58B.2@3134.94,262.01
2.5V_REFC: C9C.2 C55C.2 C58C.2 NT8C.2 NT9C.2 R39C.2 R40C.1 TP19C.1 U12C.1 U13C.1 | length 795.2
  Bottom Copper w6: NT9C.2@2671.01,3281.06 2684.01,3281.06 2717.94,3315 2801,3315 ; NT8C.2@2679.01,3526.06 2826.01,3526.06 TP19C.1@2848.01,3504.06 2848.01,3468.01 2830,3450 C58C.2@2830,3446.06 2830,3442.13 2813.89,3426.01 2812.01,3426.01 U12C.1@2812.01,3401.25 2789.2,3401.25 2774.01,3386.06 2774.01,3341.99 2791.94,3324.06 2801,3315 ; U13C.1@2812.01,3155.78 2816.52,3155.78 2821.32,3160.58 C55C.2@2821.32,3197.64 2822.37,3198.69 C9C.2@2822.37,3244.33 ; R39C.2@2870.01,3232.06 2861.2,3240.87 2846.63,3240.87 2843.18,3244.33 C9C.2@2822.37,3244.33 ; 2801,3315 2822,3294 R40C.1@2822,3290.06 2822,3244.7 C9C.2@2822.37,3244.33
2.5V_REFD: C9D.2 C55D.2 C58D.2 NT8D.2 NT9D.2 R39D.2 R40D.1 TP19D.1 U12D.1 U13D.1 | length 767.5
  Bottom Copper w6: NT8D.2@915.99,4564.07 915.99,4690.99 TP19D.1@940,4715 C58D.2@991.99,4715 ; NT9D.2@1160.99,4556.07 1160.99,4569.07 1116.99,4613.07 1116.99,4667.07 ; R39D.2@1209.99,4755.07 1209.99,4751.13 1199.99,4741.13 C9D.2@1199.99,4707.06 ; U13D.1@1289.47,4694.91 1261.58,4694.91 1249.93,4706.56 C55D.2@1245.99,4706.56 1200.49,4706.56 C9D.2@1199.99,4707.06 ; C58D.2@991.99,4715 999.87,4715 C58D.2@999.93,4715.06 ; C58D.2@991.99,4715 992.05,4715.06 C58D.2@995.99,4715.06 C58D.2@999.93,4715.06 ; C58D.2@999.93,4715.06 1016.04,4698.95 1016.04,4697.07 U12D.1@1040.8,4697.07 1040.8,4674.26 1055.99,4659.07 1108.99,4659.07 1116.99,4667.07 ; 1116.99,4667.07 1117.99,4668.07 1117.99,4677 1148.05,4707.06 R40D.1@1151.99,4707.06 C9D.2@1199.99,4707.06
2.5V_REFE: C9E.2 C55E.2 C58E.2 NT8E.2 NT9E.2 R39E.2 R40E.1 TP19E.1 U12E.1 U13E.1 | length 783.8
  Bottom Copper w6: R39E.2@1431,2747 1434.94,2747 1444.94,2737 C9E.2@1479.01,2737 ; U13E.1@1489,2823.28 1484.27,2823.28 1479.05,2818.06 C55E.2@1479.05,2781.24 1479.05,2737.04 C9E.2@1479.01,2737 ; NT8E.2@1622,2453 1475,2453 TP19E.1@1453,2475 1453,2511.06 1471.01,2529.06 C58E.2@1471.01,2533 1471.01,2536.94 1489,2554.93 U12E.1@1489,2577.81 1511.81,2577.81 1527,2593 1527,2646 1519,2654 ; NT9E.2@1630,2698 1617,2698 1573,2654 1519,2654 ; C9E.2@1479.01,2737 R40E.1@1479.01,2689 1479.01,2685.06 1509.07,2655 1518,2655 1519,2654
5V: C1.2 C15A.2 C15B.2 C15C.2 C15D.2 C16A.2 C16B.2 C16C.2 C16D.2 C39.2 C40.2 C54A.2 C54B.2 C54C.2 C54D.2 C54E.2 C57A.2 C57B.2 C57C.2 C57D.2 C57E.2 J1.4 J1.5 J4A.5 J4B.5 J4C.5 J4D.5 J6.5 R12.2 R26A.1 R26B.1 R26C.1 R26D.1 R27A.1 R27B.1 R27C.1 R27D.1 R28A.1 R28B.1 R28C.1 R28D.1 R39A.1 R39B.1 R39C.1 R39D.1 R39E.1 R47.1 R48.1 R49.1 TP10.1 U1.3 U7A.23 U7B.23 U7C.23 U7D.23 U10.23 U12A.3 U12B.3 U12C.3 U12D.3 U12E.3 U13A.3 U13B.3 U13C.3 U13D.3 U13E.3 | length 13105.5
  Top Copper w6: J6.5@154.42,2836.96 212.47,2895 540,2895 605,2960 v1(760,2960) ; J4D.5@154.42,3566.96 217.47,3630 490,3630 635,3775 760,3775 775,3760 876.1,3760 v1(914.64,3798.53) ; J4A.5@160,896.89 216.89,840 350,840 575,615 710,615 840,485 911.92,485 v1(979.99,553.07) ; v1(820,2665) 956.65,2665 1016.65,2605 1340,2605 1388.73,2653.73 v1(1465.82,2653.73) 1465.82,2814.95 v1(1377.21,2903.56) ; v1(916.04,3046.7) 942.8,3073.47 U10.23@1004.49,3073.47 ; v1(945.12,4090.04) 945.12,4145.55 957.32,4157.75 982.49,4157.75 U7D.23@983.05,4158.31 ; v1(950,874.5) 950.5,875 980.13,875 986.06,869.07 1012.22,869.07 1016.46,873.31 U7A.23@1050.05,873.31 ; v1(1220,3650) 1245.41,3650 v1(1379.66,3784.25) ; R12.2@2618.5,5230 2618.5,5095.16 J1.4@2623.06,5099.72 ; U7C.23@3202.93,3901.53 3281.88,3901.53 3288.21,3907.86 v1(3291.91,3907.86) ; v1(3272.99,4221.78) 3341.21,4290 3420.35,4290 3500.35,4210 3845,4210 4018.33,4036.67 4111.67,4036.67 4175,4100 J4C.5@4175,4177.03 ; U7B.23@3308.93,776.64 3392.94,776.64 3401.3,785 v1(3405,785) ; v1(3379.17,1103.44) 3445.73,1170 3510,1170 3535,1145 3960,1145 4122.82,982.18 4223.82,982.18 J4B.5@4284,922
  Bottom Copper w6: v1(760,2960) 762.62,2957.38 762.62,2943.37 R47.1@787.49,2918.5 ; R47.1@787.49,2914.56 758.99,2886.07 758.99,2768.01 786.99,2740.01 R48.1@786.99,2736.07 R49.1@830,2736.07 821.19,2727.26 821.19,2697.91 820,2696.73 v1(820,2665) ; R47.1@787.98,2914.07 787.98,2918.01 R47.1@787.49,2918.5 ; R27D.1@905.49,3568.07 R28D.1@957.99,3568.07 957.99,3564.13 966.8,3555.32 970.74,3555.32 991.06,3535 1105,3535 v1(1220,3650) 1165,3650 1059.93,3755.07 R26D.1@897.99,3755.07 897.99,3759.01 915.22,3776.23 915.22,3797.95 v1(914.64,3798.53) ; C15D.2@925.46,4199.27 925.46,4149.36 C16D.2@924.9,4148.8 924.9,4144.86 945.12,4124.65 v1(945.12,4090.04) ; v1(950,874.5) 953.7,874.5 958.2,870 C16A.2@995,870 C15A.2@995,915 ; C39.2@950.1,3109.26 950.4,3108.96 C40.2@950.4,3060.27 950.4,3056.34 941.59,3047.53 916.86,3047.53 v1(916.04,3046.7) 916.04,3046.06 788.48,2918.5 R47.1@787.49,2918.5 ; U12D.3@1091.98,4697.07 1091.98,4706.91 1106.08,4721 C57D.2@1106.08,4756.64 1107.64,4755.07 R39D.1@1147,4755.07 1147,4759.01 1155.81,4767.82 1159.75,4767.82 1186.93,4795 1302.55,4795 1333.74,4763.82 1337.67,4763.82 1346.49,4755.01 C54D.2@1346.49,4751.07 1346.49,4747.13 1367.38,4726.24 1367.38,4712.62 v1(1370,4710) 1367.85,4707.85 1345.45,4707.85 1340.65,4703.04 U13D.3@1340.65,4694.91 ; U13A.3@1318.39,295.59 1268.91,295.59 C54A.2@1267,297.5 1263.06,297.5 1232,266.43 v1(1232,195.75) ; U12A.3@1321,42.99 1279.46,42.99 1265.37,57.08 C57A.2@1261.43,57.08 1261.43,96.44 R39A.1@1263,98.01 1259.06,98.01 1249.75,107.32 1249.75,111.26 1232,129.01 v1(1232,195.75) ; v1(1375,625) 1300.72,625 1272.01,596.29 1233.71,596.29 1225,605 1205,605 1195,595 1085,595 1070,610 1036.92,610 v1(979.99,553.07) 979.99,489.01 964.99,474.01 R26A.1@964.99,470.07 964.99,442.7 961.22,438.93 961.22,320.36 972.49,309.1 R27A.1@972.49,283.07 R28A.1@1024.99,283.07 1024.99,279.13 1033.8,270.32 1037.74,270.32 1112.31,195.75 v1(1232,195.75) ; v1(1465.82,2653.73) 1468.44,2651.12 1468.44,2640.22 U12E.3@1479.67,2628.99 ; U12E.3@1489,2628.99 U12E.3@1479.67,2628.99 ; U13E.3@1489,2874.46 1444.03,2874.46 C54E.2@1435,2883.5 1431.06,2883.5 1421.75,2874.19 1421.75,2870.25 1400,2848.5 1400,2715.01 1417.75,2697.26 1417.75,2693.32 1427.06,2684.01 R39E.1@1431,2684.01 1429.43,2682.44 C57E.2@1429.43,2643.09 1433.37,2643.09 1447.46,2628.99 U12E.3@1479.67,2628.99 ; U13B.3@2789.54,280 2789.54,235.03 C54B.2@2780.5,226 2780.5,222.06 2789.81,212.75 2793.75,212.75 2828.39,178.12 v1(2927.05,178.12) 2929.67,180.73 2938.73,180.73 2966.74,208.75 2970.68,208.75 2979.99,218.06 R39B.1@2979.99,222 2981.56,220.43 C57B.2@3020.91,220.43 3020.91,224.37 3035.01,238.46 U12B.3@3035.01,280 ; U13C.3@2812.01,3104.6 2856.98,3104.6 C54C.2@2866.01,3095.57 ; U12C.3@2812.01,3350.07 2853.55,3350.07 2867.64,3335.98 C57C.2@2871.58,3335.98 2871.58,3296.62 R39C.1@2870.01,3295.06 2873.94,3295.06 2883.26,3285.74 2883.26,3281.81 2901.01,3264.06 2901.01,3130.57 2879.26,3108.82 2879.26,3104.88 2869.94,3095.57 C54C.2@2866.01,3095.57 ; v1(2848.3,2981.5) 2850.26,2983.47 2850.26,3000.35 2853.26,3003.35 2853.26,3086.76 2862.07,3095.57 C54C.2@2866.01,3095.57 ; v1(2975,980) 3015,980 3085,1050 3120,1050 3125,1045 3150,1045 3165,1060 3260,1060 3275,1045 3320.73,1045 v1(3379.17,1103.44) 3378.99,1103.62 3378.99,1160.95 3393.99,1175.95 R26B.1@3393.99,1179.88 3393.99,1205.72 3405,1216.73 3405,1348.38 R27B.1@3386.49,1366.88 R28B.1@3333.99,1366.88 ; C1.2@3011.99,4793.07 3019.49,4793.07 3227.99,4584.57 R28C.1@3227.99,4491.78 R27C.1@3280.49,4491.78 3280.49,4459.51 3300,4440 3300,4350 3296.8,4346.8 3296.8,4313.59 R26C.1@3287.99,4304.78 3287.99,4300.84 3272.99,4285.84 v1(3272.99,4221.78) ; C15C.2@3260.11,3863.68 3259.7,3864.09 C16C.2@3259.7,3906.62 3260.94,3907.86 v1(3291.91,3907.86) ; C15B.2@3370,740 C16B.2@3370,785 v1(3405,785)